# KiCad board rev6.0_flat_powerstage.kicad_pcb (continued)
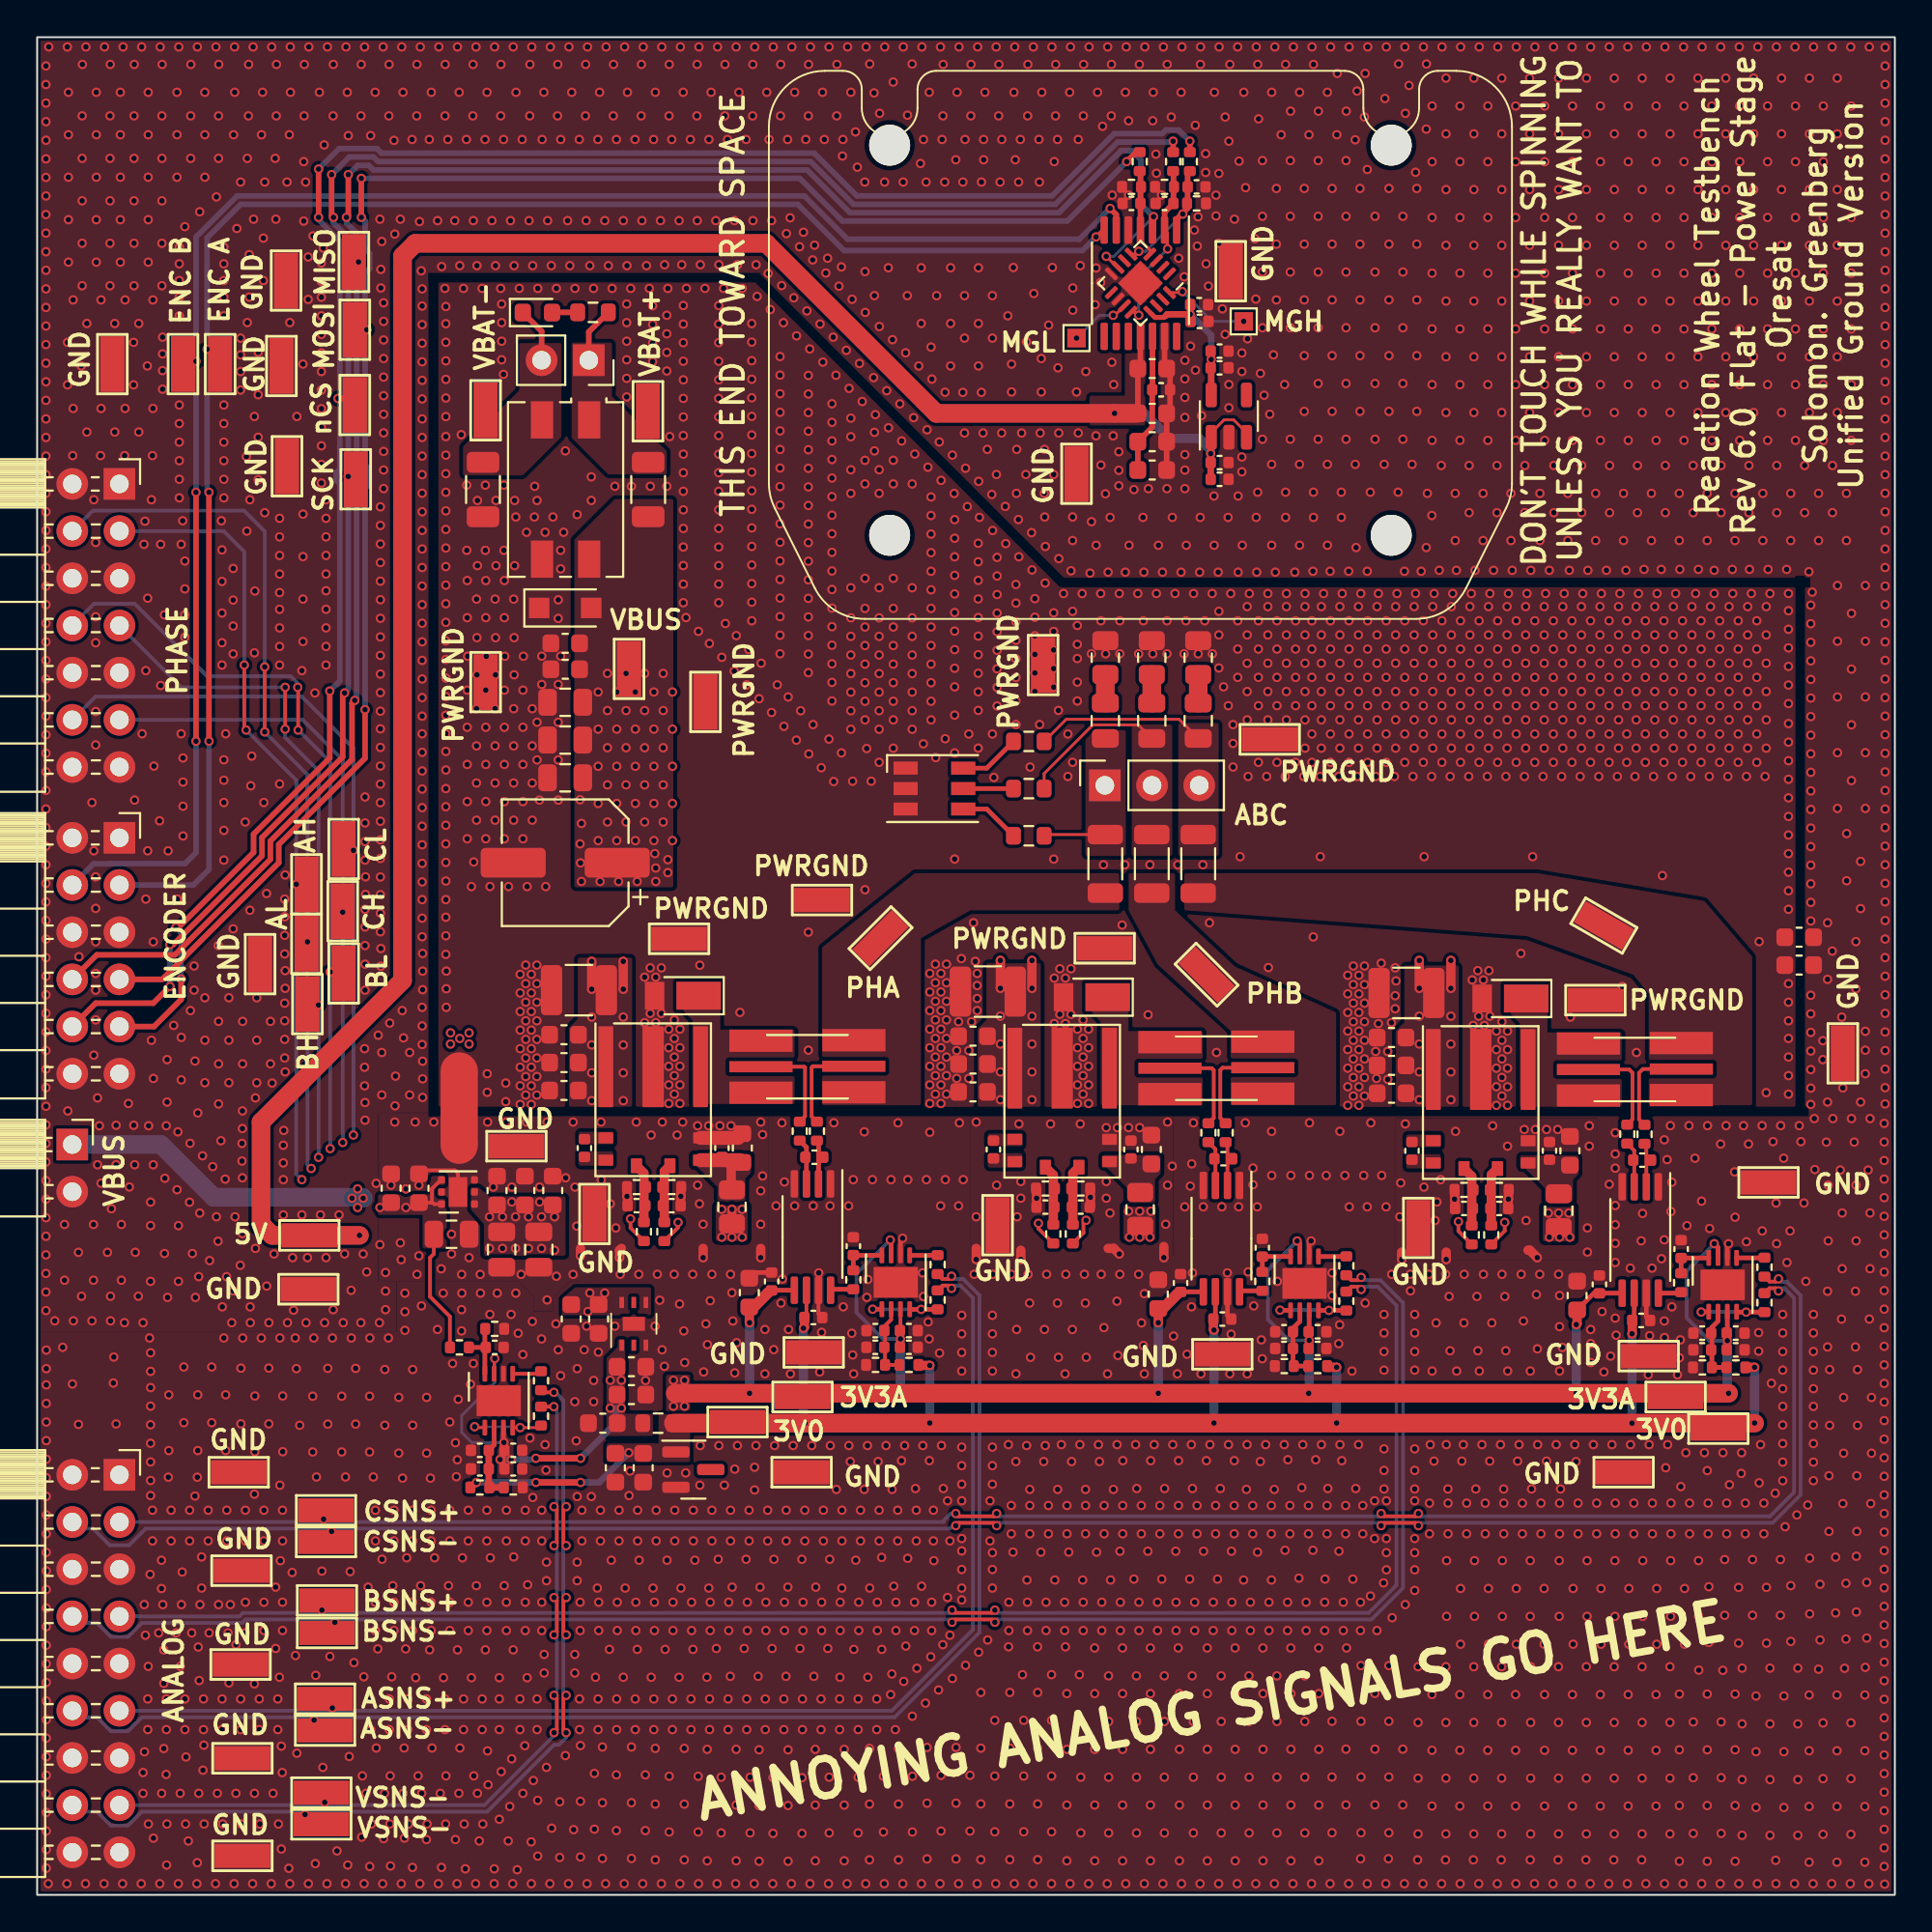
[diagram p0: board, top side]
## Footprints (pads in the part's own frame, mm; a bottom-side part is the same pattern mirrored in y, then rotated)
C_0402_1005Metric
  rrect 0.56x0.62 smd: 1(-0.48,0) 2(0.48,0)
C_0603_1608Metric
  rrect 0.9x0.95 smd: 1(-0.775,0) 2(0.775,0)
C_0805_2012Metric
  rrect 1x1.45 smd: 1(-0.95,0) 2(0.95,0)
C_1210_3225Metric
  rrect 1.15x2.7 smd: 1(-1.475,0) 2(1.475,0)
CP_Elec_6.3x5.9
  rrect 3.5x1.6 smd: 1(-2.8,0) 2(2.8,0)
D_PowerDI-123
  rect 2.4x1.5 smd: 1(-0.85,0)
  rect 1.05x1.5 smd: 2(1.525,0)
D_SOD-123F
  rect 1.1x1.1 smd: 1(-1.4,0) 2(1.4,0)
DFN-8-1EP_3x3mm_P0.5mm_EP1.65x2.38mm
  rrect 1.33x1.92 smd: (0,0)
  rrect 0.85x0.25 smd: 1(-1.45,0.75) 2(-1.45,0.25) 3(-1.45,-0.25) 4(-1.45,-0.75) 5(1.45,-0.75) 6(1.45,-0.25) 7(1.45,0.25) 8(1.45,0.75)
  rect 1.65x2.38 smd: 9(0,0)
L_1206_3216Metric
  rrect 1.05x1.9 smd: 1(-1.575,0) 2(1.575,0)
L_CommonMode_Wuerth_WE-SL2
  rect 2x1.2 smd: 1(-3.75,1.27) 2(-3.75,-1.27) 3(3.75,-1.27) 4(3.75,1.27)
LED_0603_1608Metric
  rrect 0.875x0.95 smd: 1(-0.787,0) 2(0.787,0)
LED_RGB_PLCC-6
  rect 1.3x0.7 smd: 1(-1.55,1.1) 2(-1.55,0) 3(-1.55,-1.1) 4(1.55,-1.1) 5(1.55,0) 6(1.55,1.1)
NetTie-2_SMD_Pad2.0mm
  round 2 smd: 1(-2,0) 2(2,0)
PinSocket_1x02_P2.54mm_Horizontal
  rect 1.7x1.7 hole 1: 1(0,0)
  oval 1.7x1.7 hole 1: 2(0,-2.54)
PinSocket_1x02_P2.54mm_Vertical
  rect 1.7x1.7 hole 1: 1(0,0)
  oval 1.7x1.7 hole 1: 2(0,-2.54)
PinSocket_1x03_P2.54mm_Vertical
  rect 1.7x1.7 hole 1: 1(0,0)
  oval 1.7x1.7 hole 1: 2(0,-2.54) 3(0,-5.08)
PinSocket_2x06_P2.54mm_Horizontal
  rect 1.7x1.7 hole 1: 1(0,0)
  oval 1.7x1.7 hole 1: 2(-2.54,0) 3(0,-2.54) 4(-2.54,-2.54) 5(0,-5.08) 6(-2.54,-5.08) 7(0,-7.62) 8(-2.54,-7.62) 9(0,-10.16) 10(-2.54,-10.16) 11(0,-12.7) 12(-2.54,-12.7)
PinSocket_2x07_P2.54mm_Horizontal
  rect 1.7x1.7 hole 1: 1(0,0)
  oval 1.7x1.7 hole 1: 2(-2.54,0) 3(0,-2.54) 4(-2.54,-2.54) 5(0,-5.08) 6(-2.54,-5.08) 7(0,-7.62) 8(-2.54,-7.62) 9(0,-10.16) 10(-2.54,-10.16) 11(0,-12.7) 12(-2.54,-12.7) 13(0,-15.24) 14(-2.54,-15.24)
PinSocket_2x09_P2.54mm_Horizontal
  rect 1.7x1.7 hole 1: 1(0,0)
  oval 1.7x1.7 hole 1: 2(-2.54,0) 3(0,-2.54) 4(-2.54,-2.54) 5(0,-5.08) 6(-2.54,-5.08) 7(0,-7.62) 8(-2.54,-7.62) 9(0,-10.16) 10(-2.54,-10.16) 11(0,-12.7) 12(-2.54,-12.7) 13(0,-15.24) 14(-2.54,-15.24) 15(0,-17.78) 16(-2.54,-17.78) 17(0,-20.32) 18(-2.54,-20.32)
QFN-16-1EP_3x3mm_P0.5mm_EP1.7x1.7mm
  rrect 0.69x0.69 smd: (-0.425,0.425) (-0.425,-0.425) (0.425,0.425) (0.425,-0.425)
  rrect 0.825x0.25 smd: 1(-1.462,0.75) 2(-1.462,0.25) 3(-1.462,-0.25) 4(-1.462,-0.75) 9(1.462,-0.75) 10(1.462,-0.25) 11(1.462,0.25) 12(1.462,0.75)
  rrect 0.25x0.825 smd: 5(-0.75,-1.462) 6(-0.25,-1.462) 7(0.25,-1.462) 8(0.75,-1.462) 13(0.75,1.462) 14(0.25,1.462) 15(-0.25,1.462) 16(-0.75,1.462)
  rect 1.7x1.7 smd: 17(0,0)
R_0402_1005Metric
  rrect 0.54x0.64 smd: 1(-0.51,0) 2(0.51,0)
R_0603_1608Metric
  rrect 0.8x0.95 smd: 1(-0.825,0) 2(0.825,0)
R_0805_2012Metric
  rrect 1.025x1.4 smd: 1(-0.912,0) 2(0.912,0)
R_1206_3216Metric
  rrect 1.125x1.75 smd: 1(-1.462,0) 2(1.462,0)
R_2512_6332Metric_KELVIN
  rect 3.4x1.2 smd: 1(-2.5,1.4) 1(-2.5,-1.4) 4(2.5,1.425) 4(2.5,-1.375)
  rect 3.4x0.6 smd: 2(-2.5,0) 3(2.5,0.025)
reaction-wheel
  round 2.2 hole 2.2 unplated: (0,-2) (0,-23) (27,-2) (27,-23)
SOT-23
  rrect 1.475x0.6 smd: 1(-0.938,0.95) 2(-0.938,-0.95) 3(0.938,0)
TestPoint_Keystone_5015_Micro-Minature_3DMODEL
  rect 3x1.3 smd: 1(0,0)
TestPoint_Pad_1.0x1.0mm
  rect 1x1 smd: 1(0,0)
Texas_MOF0009A
  rrect 0.7x0.59 smd: (-2.55,3.558) (-2.55,2.667) (-2.55,1.778) (-2.55,0.887) (-2.55,-0.003) (2.55,3.558) (2.55,2.667) (2.55,1.778) (2.55,0.887) (2.55,-0.003)
  rrect 1.05x0.59 smd: (0,3.558) (0,2.667) (0,1.778) (0,0.887) (0,-0.003)
  rrect 0.8x4.35 smd: 1(-2.55,1.778) 8(2.55,1.778)
  rrect 0.8x0.6 smd: 2(-2.55,-2.053) 3(-2.55,-3.252) 6(2.55,-3.252) 7(2.55,-2.053)
  rrect 0.6x0.8 smd: 4(-0.9,-3.553) 5(0.9,-3.553)
  rrect 1.15x4.35 smd: 9(0,1.778)
TI-WSON-6-2.2x2.5
  rect 0.25x0.6 smd: 1(0.65,1.15) 2(0,1.15) 3(-0.65,1.15) 4(-0.65,-1.15) 5(0,-1.15) 6(0.65,-1.15)
  rect 1.2x0.75 smd: 7(0,0)
TSOT-23-5
  rrect 1.325x0.6 smd: 1(-1.137,0.95) 2(-1.137,0) 3(-1.137,-0.95) 4(1.137,-0.95) 5(1.137,0.95)
TSSOP-8_4.4x3mm_P0.65mm
  rrect 1.475x0.4 smd: 1(-2.862,0.975) 2(-2.862,0.325) 3(-2.862,-0.325) 4(-2.862,-0.975) 5(2.862,-0.975) 6(2.862,-0.325) 7(2.862,0.325) 8(2.862,0.975)
TSSOP-14_4.4x5mm_P0.65mm
  rrect 1.475x0.4 smd: 1(-2.862,1.95) 2(-2.862,1.3) 3(-2.862,0.65) 4(-2.862,0) 5(-2.862,-0.65) 6(-2.862,-1.3) 7(-2.862,-1.95) 8(2.862,-1.95) 9(2.862,-1.3) 10(2.862,-0.65) 11(2.862,0) 12(2.862,0.65) 13(2.862,1.3) 14(2.862,1.95)
WSON-6-1EP_2x2mm_P0.65mm_EP1x1.6mm
  rrect 0.81x0.64 smd: (0,0.4) (0,-0.4)
  rrect 0.375x0.4 smd: 1(-0.887,0.65) 2(-0.887,0) 3(-0.887,-0.65) 4(0.887,-0.65) 5(0.887,0) 6(0.887,0.65)
  rect 1x1.6 smd: 7(0,0)

## Nets
+3V0: C29.1 C59.1 C65.1 C68.1 C74.1 R16.2 R19.2 R29.2 R31.2 R37.2 TP61.1 TP63.1 U2.6 U5.6 U9.6 U12.1
+3V3A: C7.1 C8.1 C37.1 C39.1 C56.1 C58.1 C60.1 C64.1 C75.1 C78.1 C82.1 C88.1 C92.1 C93.1 C94.1 C104.1 C105.1 R37.1 TP14.1 TP62.1 U2.5 U3.3 U3.7 U5.5 U6.3 U6.7 U8.3 U8.7 U9.5 U10.3 U10.7 U11.1
+5V: C9.1 C18.1 C21.1 C42.1 C44.1 C46.1 C52.1 C55.1 C97.1 C98.1 C103.1 R13.2 R27.2 R42.2 TP5.1 U1.11 U4.1 U4.2 U7.1 U7.3 U11.4 U11.6
/VBUS_VSNS+: J5.15 R58.2 TP48.1
/VBUS_VSNS-: J5.16 R57.2 TP43.1
GND: C1.2 C2.2 C3.2 C4.2 C5.2 C6.2 C7.2 C8.2 C9.2 C10.2 C11.2 C13.2 C17.2 C18.2 C20.2 C21.2 C23.2 C25.1 C27.1 C28.2 C29.2 C31.2 C32.2 C34.2 C37.2 C38.2 C39.2 C40.2 C41.2 C42.2 C43.2 C44.2 C45.2 C46.2 C48.1 C49.2 C50.1 C51.2 C52.2 C55.2 C56.2 C58.2 C59.2 C60.2 C62.2 C64.2 C65.2 C66.2 C67.2 C68.2 C69.2 C70.2 C71.2 C73.1 C74.2 C75.2 C78.2 C82.2 C86.2 C88.2 C92.2 C93.2 C94.2 C97.2 C98.2 C99.2 C100.2 C101.2 C102.2 C103.2 C104.2 C105.2 J1.1 J1.2 J1.5 J1.6 J1.9 J1.10 J1.13 J1.14 J2.1 J2.2 J2.5 J2.6 J2.11 J2.12 J3.2 J5.1 J5.2 J5.5 J5.6 J5.9 J5.10 J5.13 J5.14 J5.17 J5.18 NT1.1 Q1.7 Q2.7 Q3.7 R7.2 R8.2 R9.2 R12.2 R14.2 R17.1 R20.1 R26.2 R28.2 R30.1 R40.1 R41.2 R44.2 R55.2 TP15.1 TP16.1 TP17.1 TP18.1 TP19.1 TP20.1 TP30.1 TP31.1 TP32.1 TP33.1 TP34.1 TP44.1 TP49.1 TP50.1 TP51.1 TP52.1 TP53.1 TP54.1 TP55.1 TP56.1 TP57.1 TP58.1 TP59.1 TP64.1 U1.5 U1.13 U2.1 U2.4 U2.7 U3.6 U3.9 U4.3 U4.5 U4.7 U5.1 U5.4 U5.7 U6.6 U6.9 U7.2 U8.6 U8.9 U9.1 U9.4 U9.7 U10.6 U10.9 U11.3 U11.7 U12.2 U13.8 U13.10 U13.17
VBUS: C12.1 C14.1 C15.1 C16.1 C19.1 C22.1 C26.1 C30.1 C33.1 C34.1 C36.1 C38.1 C40.1 C53.1 C57.1 C61.1 C63.1 C76.1 C81.1 C83.1 C85.1 D1.2 FL1.4 J3.1 Q1.1 Q2.1 Q3.1 R6.1 R59.2 TP3.1 U4.4 U4.6
/CLK_AS: C3.1 R1.2 R8.1 U1.2 U13.12
/CS_AS: C1.1 R5.2 R7.1 U1.1 U13.5
/ENC_A: J2.3 TP28.1 U1.7
/ENC_B: J2.4 TP29.1 U1.6
/MGH: TP65.1 U13.16
/MGL: TP60.1 U13.11
/MOSI_AS: C5.1 R4.2 R9.1 U1.4 U13.4
/PHA: FB1.1 R34.4 TP7.1
/PHA_FLT: C91.1 FB1.2 J7.1 R64.1
/PHA_ISNS: C32.1 R21.1 U3.8
/PHA_ISNS+: J5.11 R23.2 TP47.1
/PHA_ISNS-: J5.12 R22.2 TP42.1
/PHA_SNS+: R34.3 R48.1
/PHA_SNS-: R32.1 R34.2
/PHAH: J1.3 R10.1 TP35.1
/PHAL: J1.4 R11.1 TP38.1
/PHB: FB2.1 R61.4 TP8.1
/PHB_FLT: C90.1 FB2.2 J7.2 R63.1
/PHB_ISNS: C62.1 R53.1 U6.8
/PHB_ISNS+: J5.7 R36.2 TP45.1
/PHB_ISNS-: J5.8 R35.2 TP41.1
/PHB_SNS+: R61.3 R65.1
/PHB_SNS-: R54.1 R61.2
/PHBH: J1.7 R24.1 TP36.1
/PHBL: J1.8 R25.1 TP39.1
/PHC: FB3.1 R69.4 TP9.1
/PHC_FLT: C89.1 FB3.2 J7.3 R62.1
/PHC_ISNS: C86.1 R67.1 U8.8
/PHC_ISNS+: J5.3 R51.2 TP46.1
/PHC_ISNS-: J5.4 R50.2 TP27.1
/PHC_SNS+: R69.3 R70.1
/PHC_SNS-: R68.1 R69.2
/PHCH: J1.11 R38.1 TP37.1
/PHCL: J1.12 R39.1 TP40.1
/SPI_MISO: J2.8 TP24.1 U1.3 U13.7
/SPI_MOSI: J2.7 R4.1 TP23.1
/SPI_nCS: J2.9 R5.1 TP26.1
/SPI_SCK: J2.10 R1.1 TP25.1
PWRGND: C12.2 C14.2 C15.2 C16.2 C19.2 C22.2 C26.2 C27.2 C30.2 C33.2 C36.2 C50.2 C53.2 C57.2 C61.2 C63.2 C76.2 C81.2 C83.2 C85.2 D1.1 D2.1 D2.2 D2.3 D4.2 D5.2 D6.2 FL1.3 NT1.2 Q1.9 Q2.9 Q3.9 R60.2 R71.2 R72.2 R73.2 TP4.1 TP6.1 TP10.1 TP11.1 TP12.1 TP13.1 TP21.1 TP22.1
Net-(C2-Pad1): C2.1 R6.2 R55.1 U10.8
Net-(C4-Pad1): C4.1 C6.1 R16.1 R17.2 U10.2
Net-(C10-Pad1): C10.1 C11.1 C13.1 U1.12
Net-(C17-Pad1): C17.1 Q1.5 R11.2 R12.1
Net-(C20-Pad1): C20.1 Q1.4 R10.2 R14.1
Net-(C23-Pad1): C23.1 C25.2 Q1.6 R13.1
Net-(C24-Pad1): C24.1 Q1.2
Net-(C24-Pad2): C24.2 Q1.3
Net-(C28-Pad1): C28.1 C31.1 R19.1 R20.2 U3.2
Net-(C35-Pad1): C35.1 R32.2 U2.3
Net-(C35-Pad2): C35.2 R48.2 U2.2
Net-(C41-Pad1): C41.1 Q2.5 R25.2 R26.1
Net-(C43-Pad1): C43.1 Q2.4 R24.2 R28.1
Net-(C45-Pad1): C45.1 C48.2 Q2.6 R27.1
Net-(C47-Pad1): C47.1 Q2.2
Net-(C47-Pad2): C47.2 Q2.3
Net-(C49-Pad1): C49.1 C51.1 R29.1 R30.2 U6.2
Net-(C66-Pad1): C66.1 Q3.5 R39.2 R41.1
Net-(C67-Pad1): C67.1 Q3.4 R38.2 R44.1
Net-(C69-Pad1): C69.1 C71.1 R31.1 R40.2 U8.2
Net-(C70-Pad1): C70.1 C73.2 Q3.6 R42.1
Net-(C72-Pad1): C72.1 Q3.2
Net-(C72-Pad2): C72.2 Q3.3
Net-(C80-Pad1): C80.1 R54.2 U5.3
Net-(C80-Pad2): C80.2 R65.2 U5.2
Net-(C87-Pad1): C87.1 R68.2 U9.3
Net-(C87-Pad2): C87.2 R70.2 U9.2
Net-(C89-Pad2): C89.2 R71.1
Net-(C90-Pad2): C90.2 R72.1
Net-(C91-Pad2): C91.2 R73.1
Net-(C100-Pad1): C99.1 C100.1 C101.1 C102.1 U7.5 U13.13
Net-(D2-Pad4): D2.4 R64.2
Net-(D2-Pad5): D2.5 R63.2
Net-(D2-Pad6): D2.6 R62.2
Net-(D3-Pad1): D3.1 FL1.2 J6.2 R60.1 TP2.1
Net-(D3-Pad2): D3.2 R3.2
Net-(D4-Pad1): D4.1 Q1.8 R34.1
Net-(D5-Pad1): D5.1 Q2.8 R61.1
Net-(D6-Pad1): D6.1 Q3.8 R69.1
Net-(FL1-Pad1): FL1.1 J6.1 R3.1 R59.1 TP1.1
Net-(R21-Pad2): R21.2 U2.8
Net-(R22-Pad1): R22.1 U3.5
Net-(R23-Pad1): R23.1 U3.1 U3.4
Net-(R35-Pad1): R35.1 U6.5
Net-(R36-Pad1): R36.1 U6.1 U6.4
Net-(R50-Pad1): R50.1 U8.5
Net-(R51-Pad1): R51.1 U8.1 U8.4
Net-(R53-Pad2): R53.2 U5.8
Net-(R57-Pad1): R57.1 U10.5
Net-(R58-Pad1): R58.1 U10.1 U10.4
Net-(R67-Pad2): R67.2 U9.8

Pads without a net: U1 8 9 10 14; U7 4; U11 2 5; U12 3; U13 1 2 3 6 9 14 15

## Via types
v1: diameter 0.5, hole 0.3, Top to Bottom, 4909 vias

## Routing (per net, layer and track width the routed paths; a pad name or vN(x,y) marks a point on that pad's centre or on a via; arc(x,y) is an arc through that point)
+3V0: length 99.9
  Top w0.2: C29.1 41.41,31.19 U2.6
  Top w0.25: U5.6 63.42,31.1 C59.1 ; U9.6 85.97,31.03 C74.1
  Top w0.35: v1(23.65,22.2) 23.38,21.93 R16.2 ; v1(26.85,22.2) v1(29.25,22.2)
  Top w0.5: R19.2 47.47,28.5 v1(48.05,28.5) ; C74.1 85.86,30.21 v1(85.85,30.2) ; R31.2 91.96,28.4 v1(92.45,28.4) ; v1(69.95,28.4) 69.51,28.4 R29.2 ; v1(63.35,30.4) 63.32,30.43 C59.1 ; v1(41.25,30.5) 41.3,30.55 C29.1 ; 85.85,25.6 v1(85.85,25.39)
  Top w1: 92.45,25.39 v1(85.85,25.39) 69.96,25.39 v1(69.95,25.4) ; 69.94,25.39 63.36,25.39 v1(63.35,25.4) ; R37.2 v1(41.34,25.39) 48.04,25.39 ; 63.34,25.39 48.06,25.39
  Bottom w0.35: v1(31.85,23.8) 30.25,22.2 v1(29.25,22.2) ; v1(23.65,22.2) v1(26.85,22.2)
  Bottom w0.5: v1(41.34,25.39) 41.25,25.48 v1(41.25,30.5) ; v1(48.05,25.4) v1(48.05,28.5) ; 92.45,25.39 v1(92.45,25.4) v1(92.45,28.4) ; v1(85.85,25.39) v1(85.85,30.2) ; v1(63.35,25.4) v1(63.35,30.4) ; v1(69.95,25.4) v1(69.95,28.4)
+3V3A: length 140.1
  Top w0.152: v1(24.63,28.87) 24.6,28.84 U10.7
  Top w0.2: 46.44,29.57 C39.1 46.47,29.5 46.47,29.82 ; U3.3 v1(46.47,29.93)
  Top w0.25: C94.1 83.8,32.39 U9.5 ; U6.3 v1(68.47,29.85) 68.47,29.44 C60.1 ; U2.5 39.24,32.55 C92.1 ; v1(90.28,35.05) 90.48,34.85 U8.7 ; C93.1 61.25,32.46 U5.5 ; U10.3 25.1,22.98 C8.1 ; 46.47,29.82 v1(46.47,29.93) ; U8.3 v1(90.98,29.83) 90.98,29.37 C78.1 ; v1(67.83,35.2) 67.97,35.05 U6.7 ; v1(45.92,35.25) 45.97,35.2 U3.7
  Top w0.35: v1(26.85,23.5) v1(29.25,23.5)
  Top w0.5: C82.1 60.66,31.56 C93.1 v1(60.35,30.8) ; v1(82.85,30.7) 82.9,30.75 C94.1 ; C56.1 38.64,31.64 C92.1 38.34,30.81 v1(38.35,30.8)
  Top w1: 34.35,27 v1(38.35,27) v1(46.45,27) v1(60.35,27) v1(68.45,27) v1(82.85,27) v1(91.05,27)
  Bottom w0.152: v1(24.63,28.87) 24.63,27.58 22.85,25.8 22.85,24.9 23.4,24.35 v1(25.13,24.35)
  Bottom w0.2: v1(68.47,29.85) 67.38,29.85 66.25,30.97 66.25,33.62 v1(67.83,35.2) ; v1(45.92,35.25) 44.1,33.42 44.1,31.35 45.52,29.93 v1(46.47,29.93) ; v1(90.98,29.83) 90.02,29.83 88.8,31.05 88.8,33.58 v1(90.28,35.05)
  Bottom w0.35: v1(29.25,23.5) 31.15,25.4 31.15,26.2 ; v1(26.85,23.5) 26.78,23.43 v1(24.92,23.43)
  Bottom w0.5: v1(91.05,27) 90.98,27.07 v1(90.98,29.83) ; v1(82.85,30.7) v1(82.85,27) ; v1(38.35,30.8) v1(38.35,27) ; v1(46.45,27) 46.47,27.02 v1(46.47,29.93) ; v1(68.47,29.85) 68.47,27.02 v1(68.45,27) ; v1(60.35,30.8) v1(60.35,27)
  vias: v1(25.52,23.43) v1(30.85,27.7) v1(30.85,26.2) v1(31.45,27.7) v1(31.45,26.2) v1(34.25,27.7) v1(34.25,26.3) v1(34.85,27.7) v1(34.85,26.3)
+5V: length 131.5
  Top w0.152: U7.1 63.2,78.71 63.89,79.4 64.41,79.4 65.1,78.71 U7.3
  Top w0.2: v1(81.9,36.7) 81.91,36.69 R42.2
  Top w0.3: C21.1 C18.1 59.39,82.3 U1.11
  Top w0.35: U7.1 63.17,78.43 v1(63.17,77.58) C97.1 ; 57.55,79.95 59.05,79.95 C21.1
  Top w0.5: R13.2 v1(37.4,36.9)
  Top w1: v1(17.35,35.5) 12.65,35.5 12.05,36.1 12.05,41.6 19.67,49.22 19.67,88.22 20.35,88.9 39.25,88.9 48.4,79.75 v1(58,79.75) 59.22,79.75
  In2.Cu w1: v1(25.05,36.5) 22.09,36.5 22.05,36.46 21.71,36.46 21.27,36.02 17.88,36.02 v1(17.35,35.5)
  Bottom w0.5: v1(63.17,77.58) 63.17,77.78 62.55,78.4 60.95,78.4 59.6,79.75 v1(58,79.75)
  vias: v1(24.35,36.5) v1(24.35,34.8) v1(25.05,34.8) v1(25.55,37.3) v1(25.75,36.5) v1(25.75,34.8) v1(26.45,36.5) v1(26.45,34.8) v1(27.05,37.3) v1(27.15,36.5) v1(27.15,34.8) v1(27.85,36.5) v1(27.85,34.7) v1(29.65,31.4) v1(29.75,32.4) v1(30.55,32.4) v1(36.85,36.9) v1(36.85,35.4) v1(37.4,35.4) v1(37.95,36.9) v1(37.95,35.4) v1(58.75,36.8) v1(58.8,35.4) v1(59.35,36.8) v1(59.35,35.4) v1(59.95,36.8) v1(59.9,35.4) v1(81.35,36.7) v1(81.4,35.4) v1(81.95,35.4) v1(82.45,36.7) v1(82.5,35.4)
/VBUS_VSNS+: length 44.5
  Top w0.2: R58.2 v1(27.82,26.28) ; v1(27.82,16) 27.97,15.85 27.97,14.15 v1(27.82,14) ; v1(27.82,20.9) 27.97,20.75 27.97,18.95 v1(27.82,18.8) ; v1(27.82,10.74) 27.97,10.59 27.97,8.88 v1(27.82,8.73)
  Bottom w0.2: 15.28,4.83 24.08,4.83 27.82,8.58 v1(27.82,8.73) ; 15.28,4.83 J5.15 ; 15.28,4.83 15.33,4.83 v1(15.48,4.98) ; v1(27.82,16) 27.97,16.15 27.97,18.65 v1(27.82,18.8) ; v1(27.82,14) 27.97,13.85 27.97,10.89 v1(27.82,10.74) ; v1(27.82,20.9) 27.97,21.05 27.97,26.12 v1(27.82,26.28) 27.82,26.4
/VBUS_VSNS-: length 48.9
  Top w0.2: v1(28.48,10.74) 28.33,10.59 28.33,8.88 v1(28.48,8.73) ; v1(28.48,20.9) 28.33,20.75 28.33,18.95 v1(28.48,18.8) ; R57.2 27.24,27.05 v1(27.82,27.05) ; v1(28.48,16) 28.33,15.85 28.33,14.15 v1(28.48,14)
  Bottom w0.2: v1(28.48,20.9) 28.33,21.05 28.33,26.62 27.9,27.05 v1(27.82,27.05) ; v1(28.48,8.73) 28.48,8.46 28.09,8.08 27.82,8.08 24.22,4.48 14.42,4.48 ; 14.42,4.48 v1(14.42,4.33) ; 14.42,4.48 5.64,4.48 4.89,3.73 3.97,3.73 3.22,4.48 2.24,4.48 ; v1(28.48,18.8) 28.33,18.65 28.33,16.15 v1(28.48,16) ; v1(28.48,14) 28.33,13.85 28.33,10.89 v1(28.48,10.74)
GND: length 39.1
  Top w0.2: 46.47,33.22 U3.9 ; U4.7 22.65,38.84 22.49,39 20.74,39 C40.2 ; C29.2 42.06,31.28 U2.7
  Top w0.25: U9.7 86.62,31.12 C74.2 ; U5.7 64.08,31.2 C59.2 ; v1(91.05,35.05) 90.98,34.98 U8.6 ; v1(46.59,35.35) 46.47,35.23 U3.6 ; C92.2 38.64,33.5 C56.2 ; v1(68.58,35.2) 68.47,35.1 U6.6
  Top w0.3: U1.13 60.69,82.27 C18.2 60.98,81.98 C13.2 60.98,79.93 C21.2 C10.2
  Top w0.5: C17.2 34.64,37.59 v1(34.65,37.6) 34.65,38.08 R12.2 ; C41.2 56.7,37.07 v1(56.7,37.55) 56.69,37.56 R26.2 ; R14.2 v1(31.75,37.6) 31.78,37.57 C20.2 ; v1(80.75,34.3) 80.35,34.7 80.25,34.7 ; v1(29.25,34.4) 29.25,34.8 ; 31.45,34.8 31.35,34.7 v1(31.35,34.3) ; v1(73.45,34.2) 73.45,34.6 ; v1(35.85,34.3) 35.85,34.8 ; R28.2 53.8,37.99 v1(53.8,37.5) 53.8,37.5 C43.2 ; v1(50.55,34.2) 50.55,34.8 ; C66.2 79.19,37.44 v1(79.2,37.45) 79.2,37.93 R41.2 ; v1(52.95,34.2) 52.95,34.7 ; v1(58.25,34.5) 57.95,34.8 57.65,34.8 ; v1(38.95,34.3) 38.95,34.8 ; v1(75.85,34.2) 75.85,34.6 ; R44.2 76.3,37.95 v1(76.3,37.45) 76.33,37.42 C67.2 ; v1(60.65,34.3) 60.65,34.9
  Top w0.75: Q1.7 37.73,40.75
  In1.Cu w0.5: v1(80.75,34.3) 80.25,34.8 ; v1(29.25,34.4) 29.25,34.8 ; v1(38.95,34.3) 38.95,34.7 ; v1(60.65,34.3) 60.65,34.8 ; v1(75.85,34.2) 75.85,34.7 ; v1(58.25,34.5) 57.95,34.8 57.65,34.8 ; v1(50.55,34.2) 50.55,34.7 ; v1(35.85,34.3) 35.85,34.8 ; v1(52.95,34.2) 52.95,34.7 ; v1(31.35,34.3) 31.35,34.6 ; v1(73.45,34.2) 73.45,34.7